# Altium PCB PCB2.PcbDoc (part 1 of 3)
Units mil, origin at the board's own origin, x right, y up, seen from the top; angles counter-clockwise.
Board outline 8413.39 x 5625.98 mil, 6 copper layers (Top Layer, GND1, Misc, Power, GND2, Bottom Layer), stack 58.89 mil thick; 205 components, 372 nets, 1456 pads, 1132 vias.
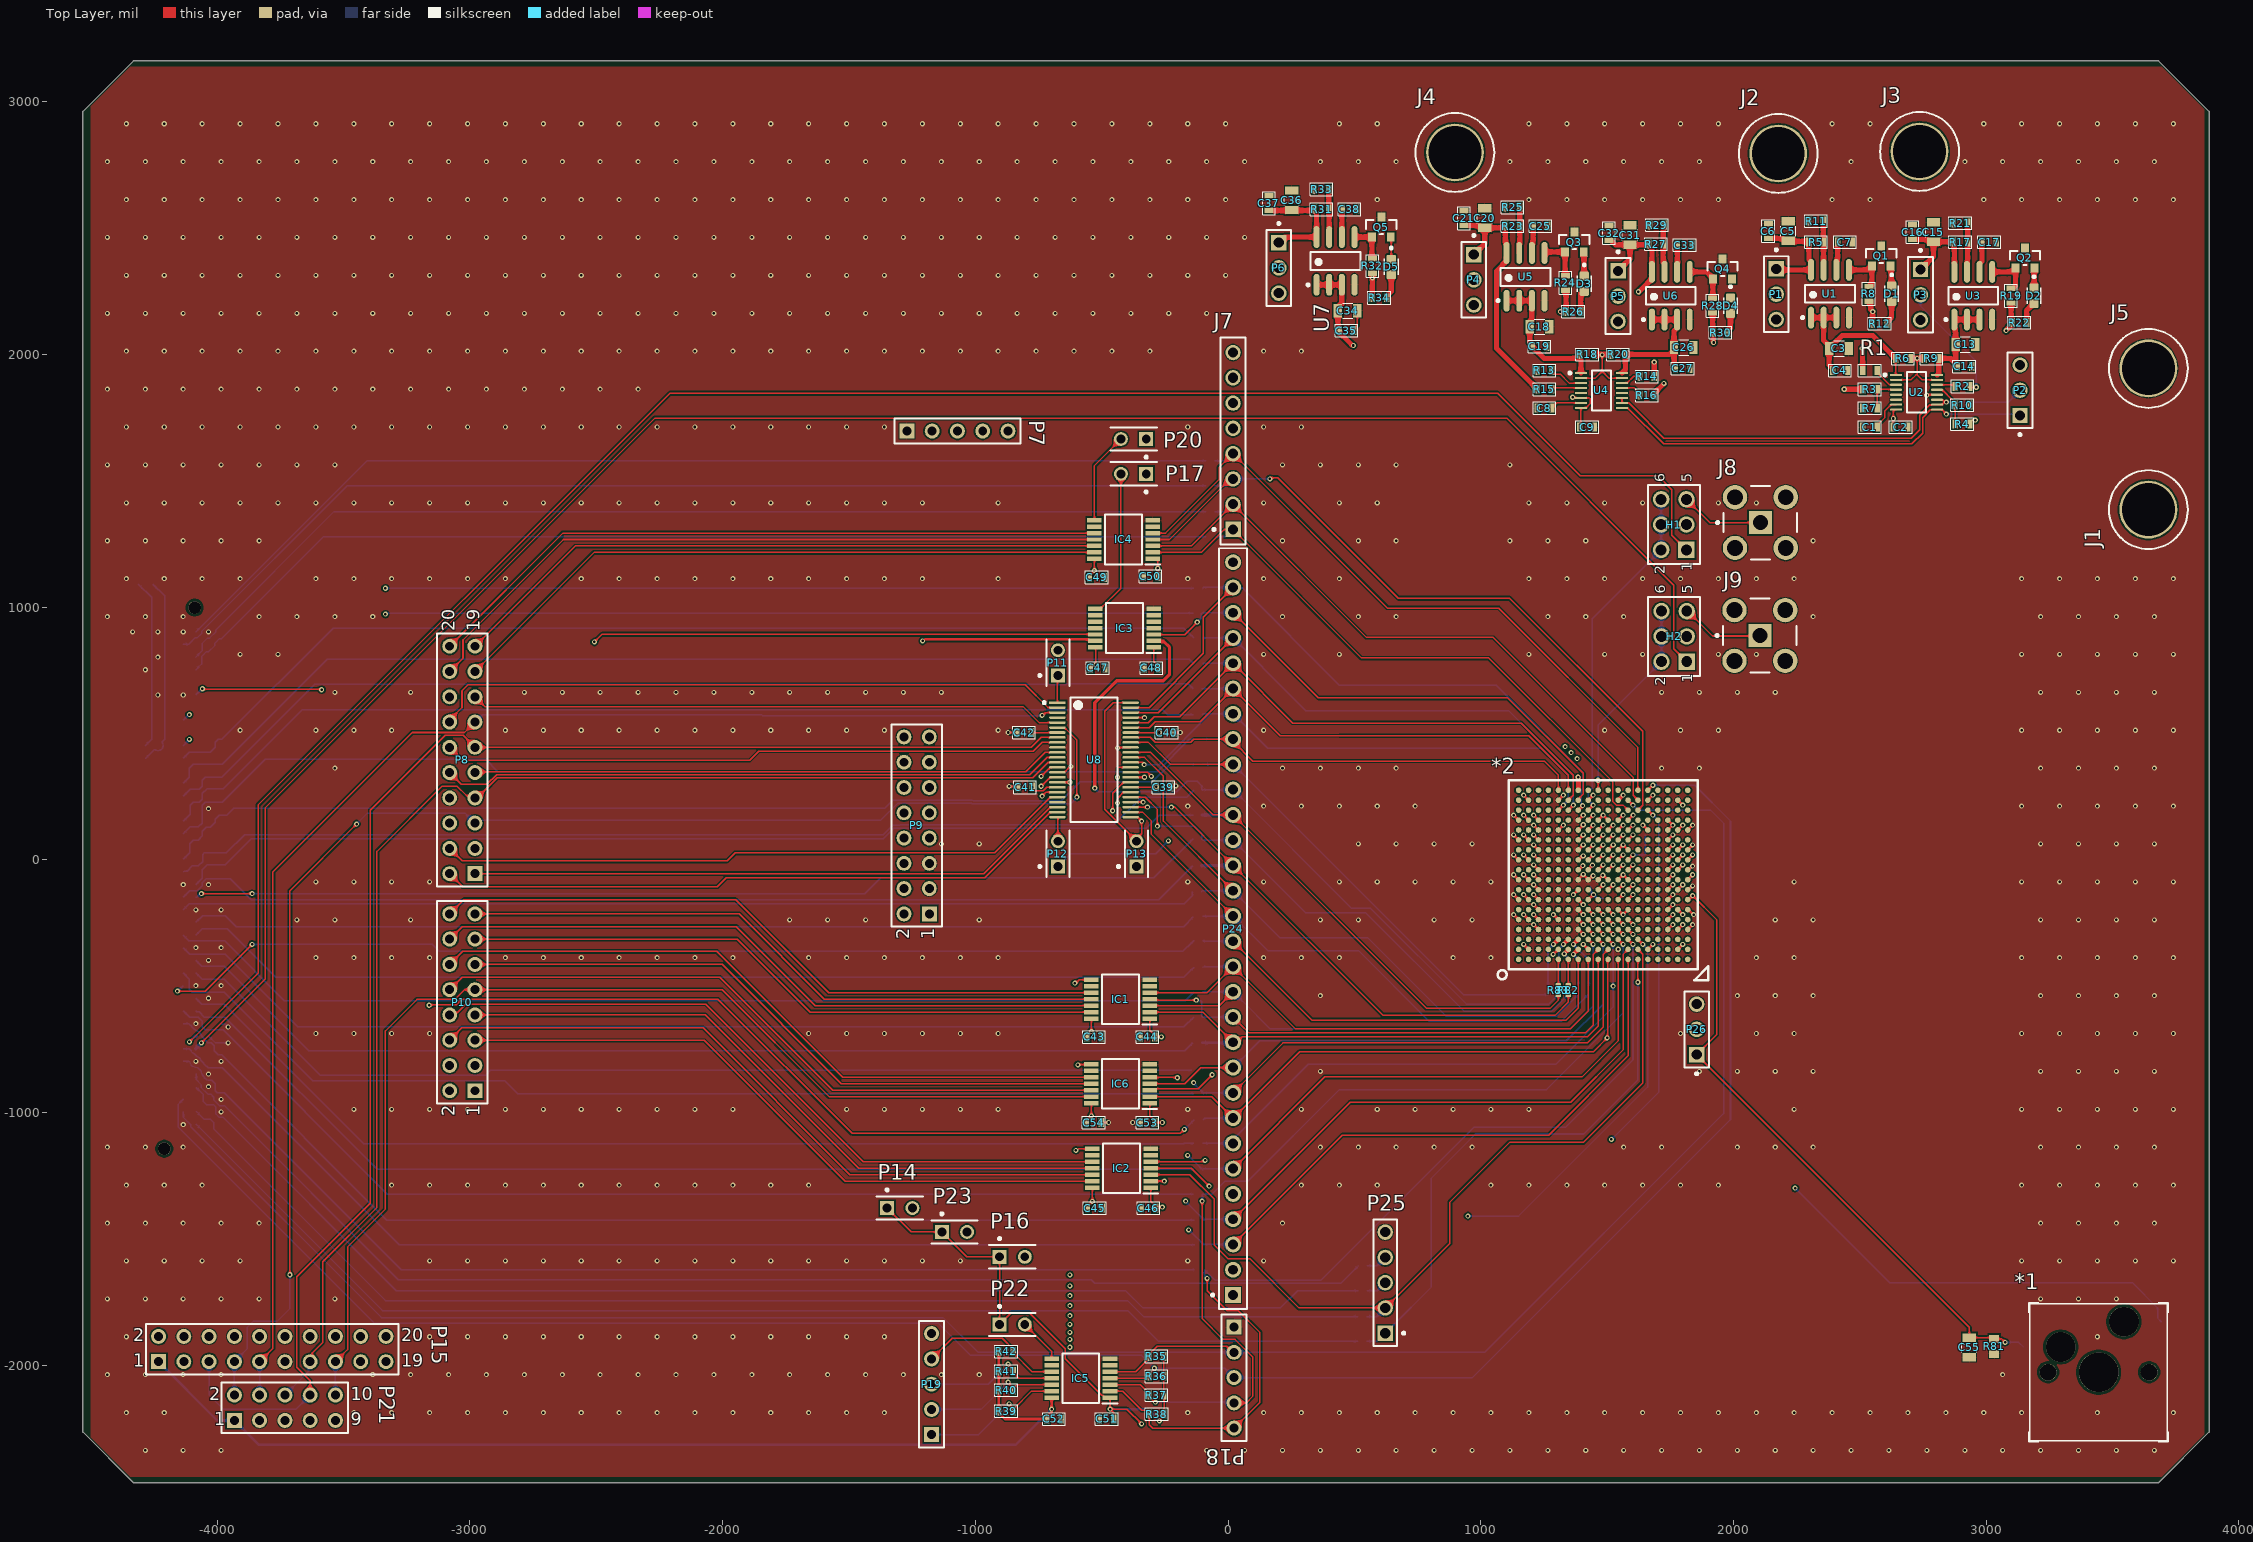
[diagram p0: Top Layer view]
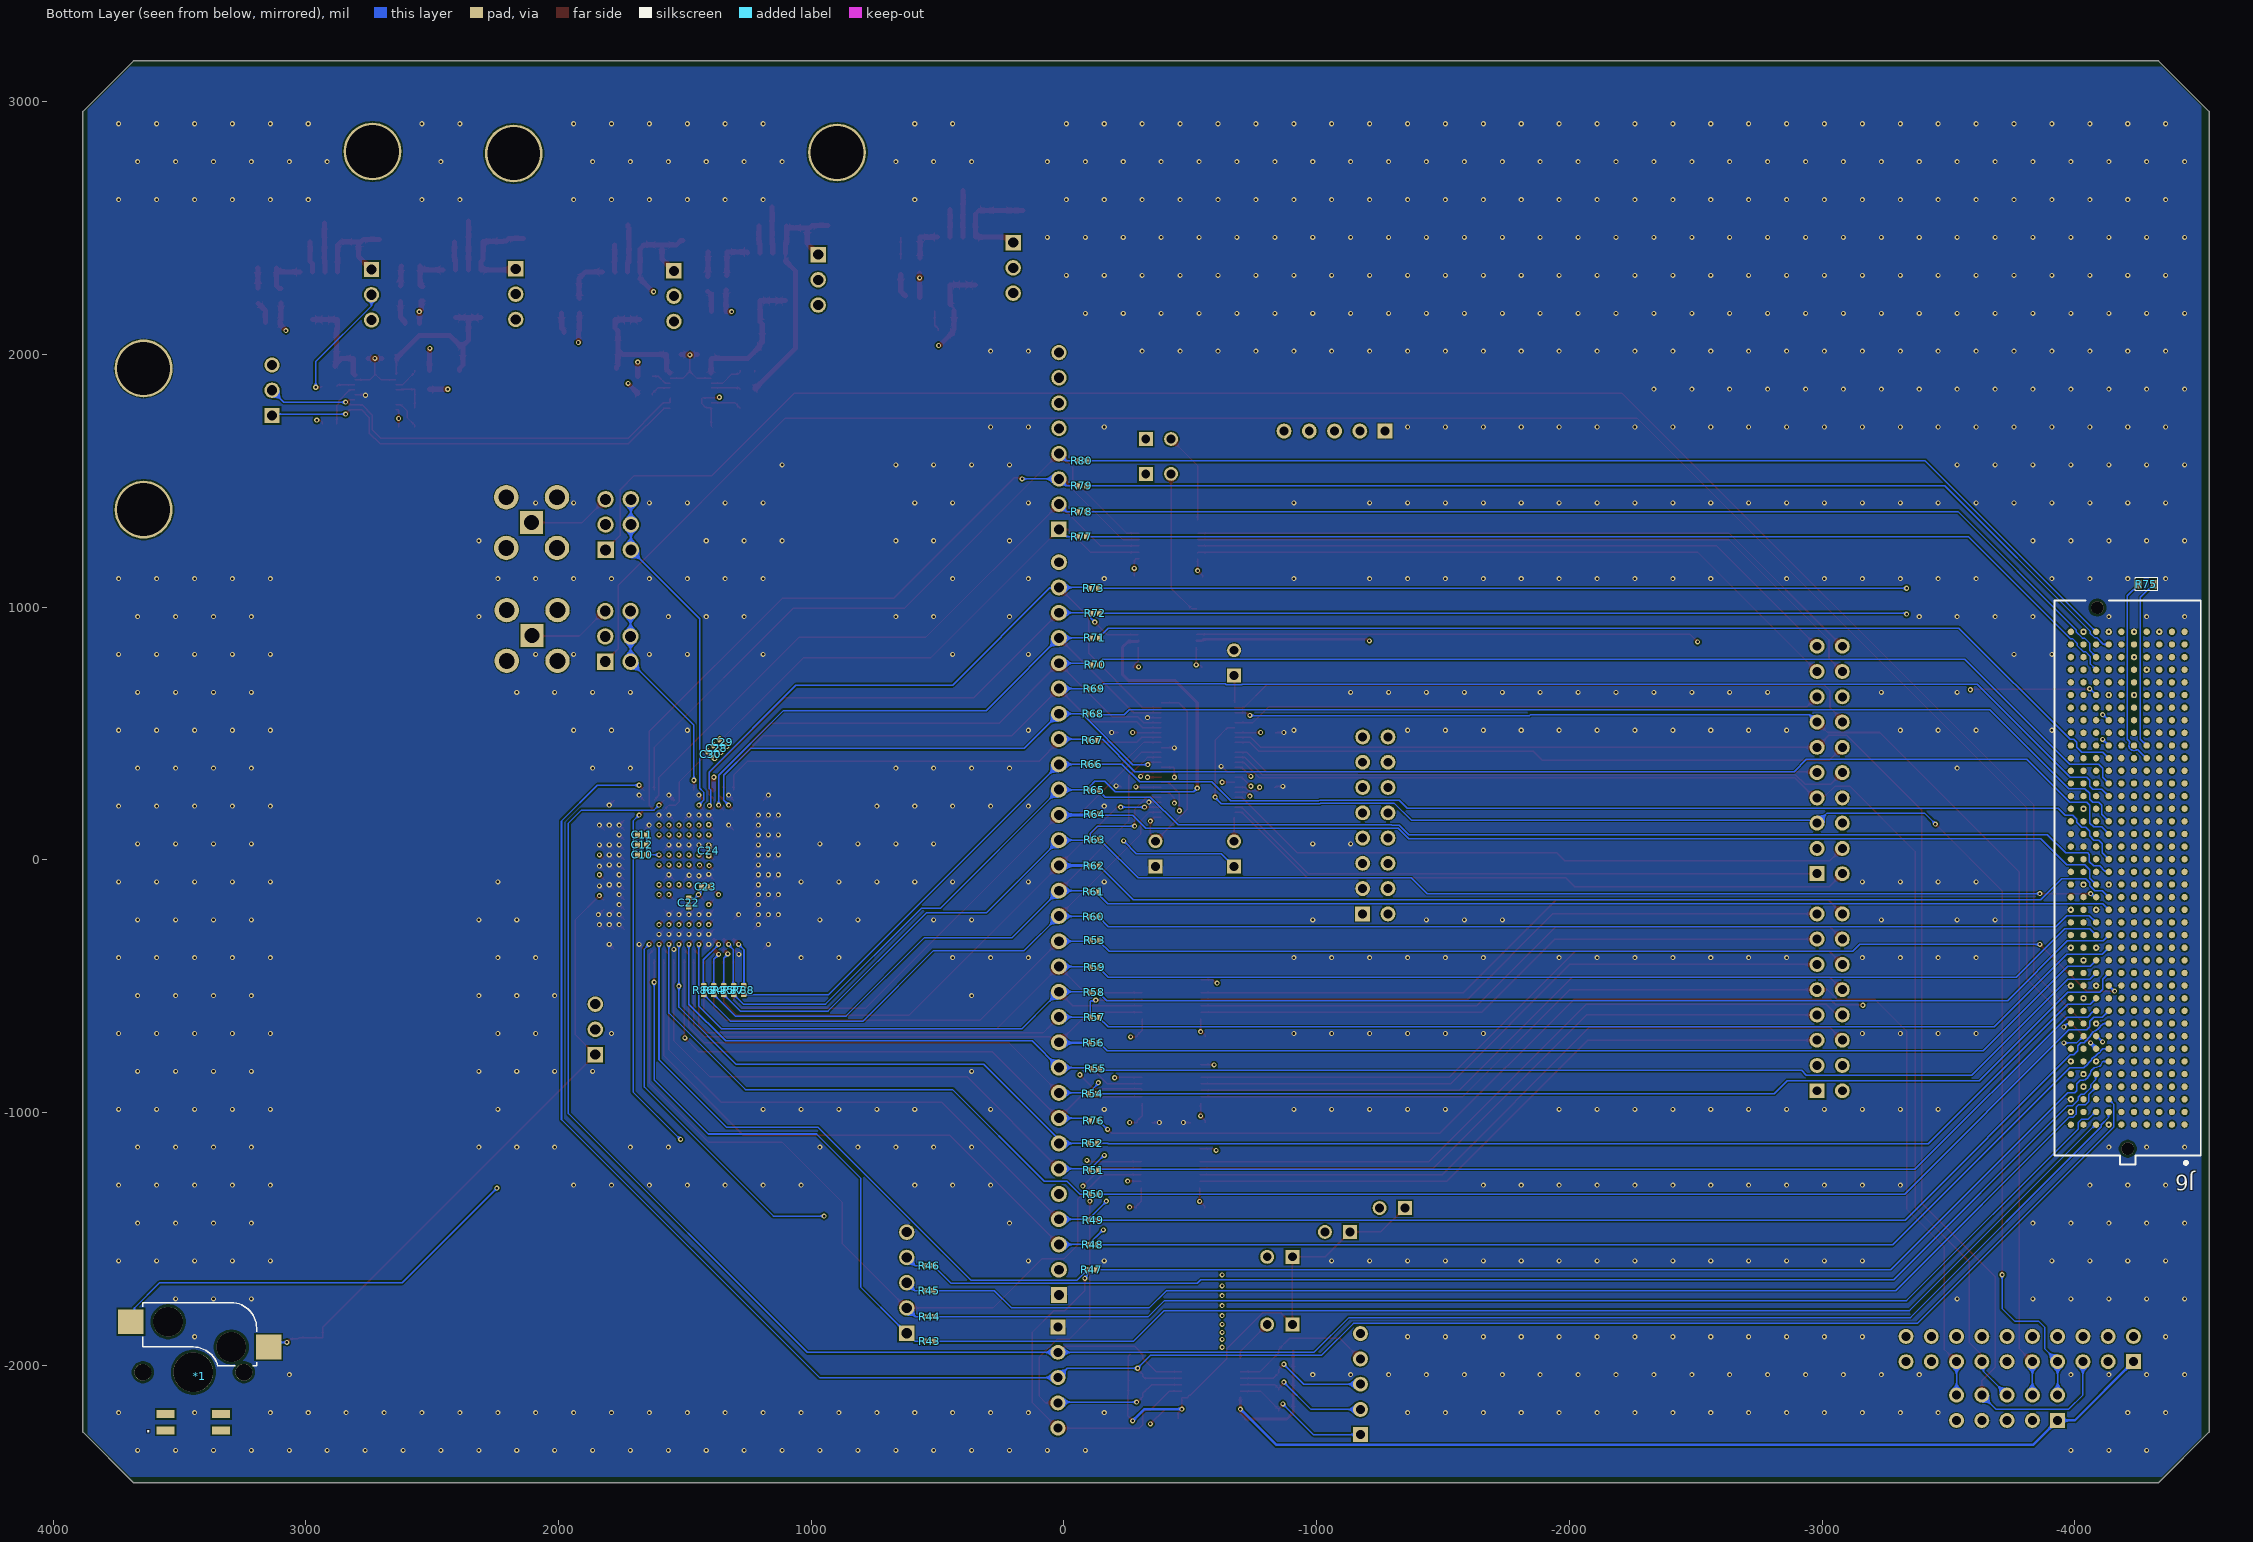
[diagram p1: Bottom Layer view, seen from below]
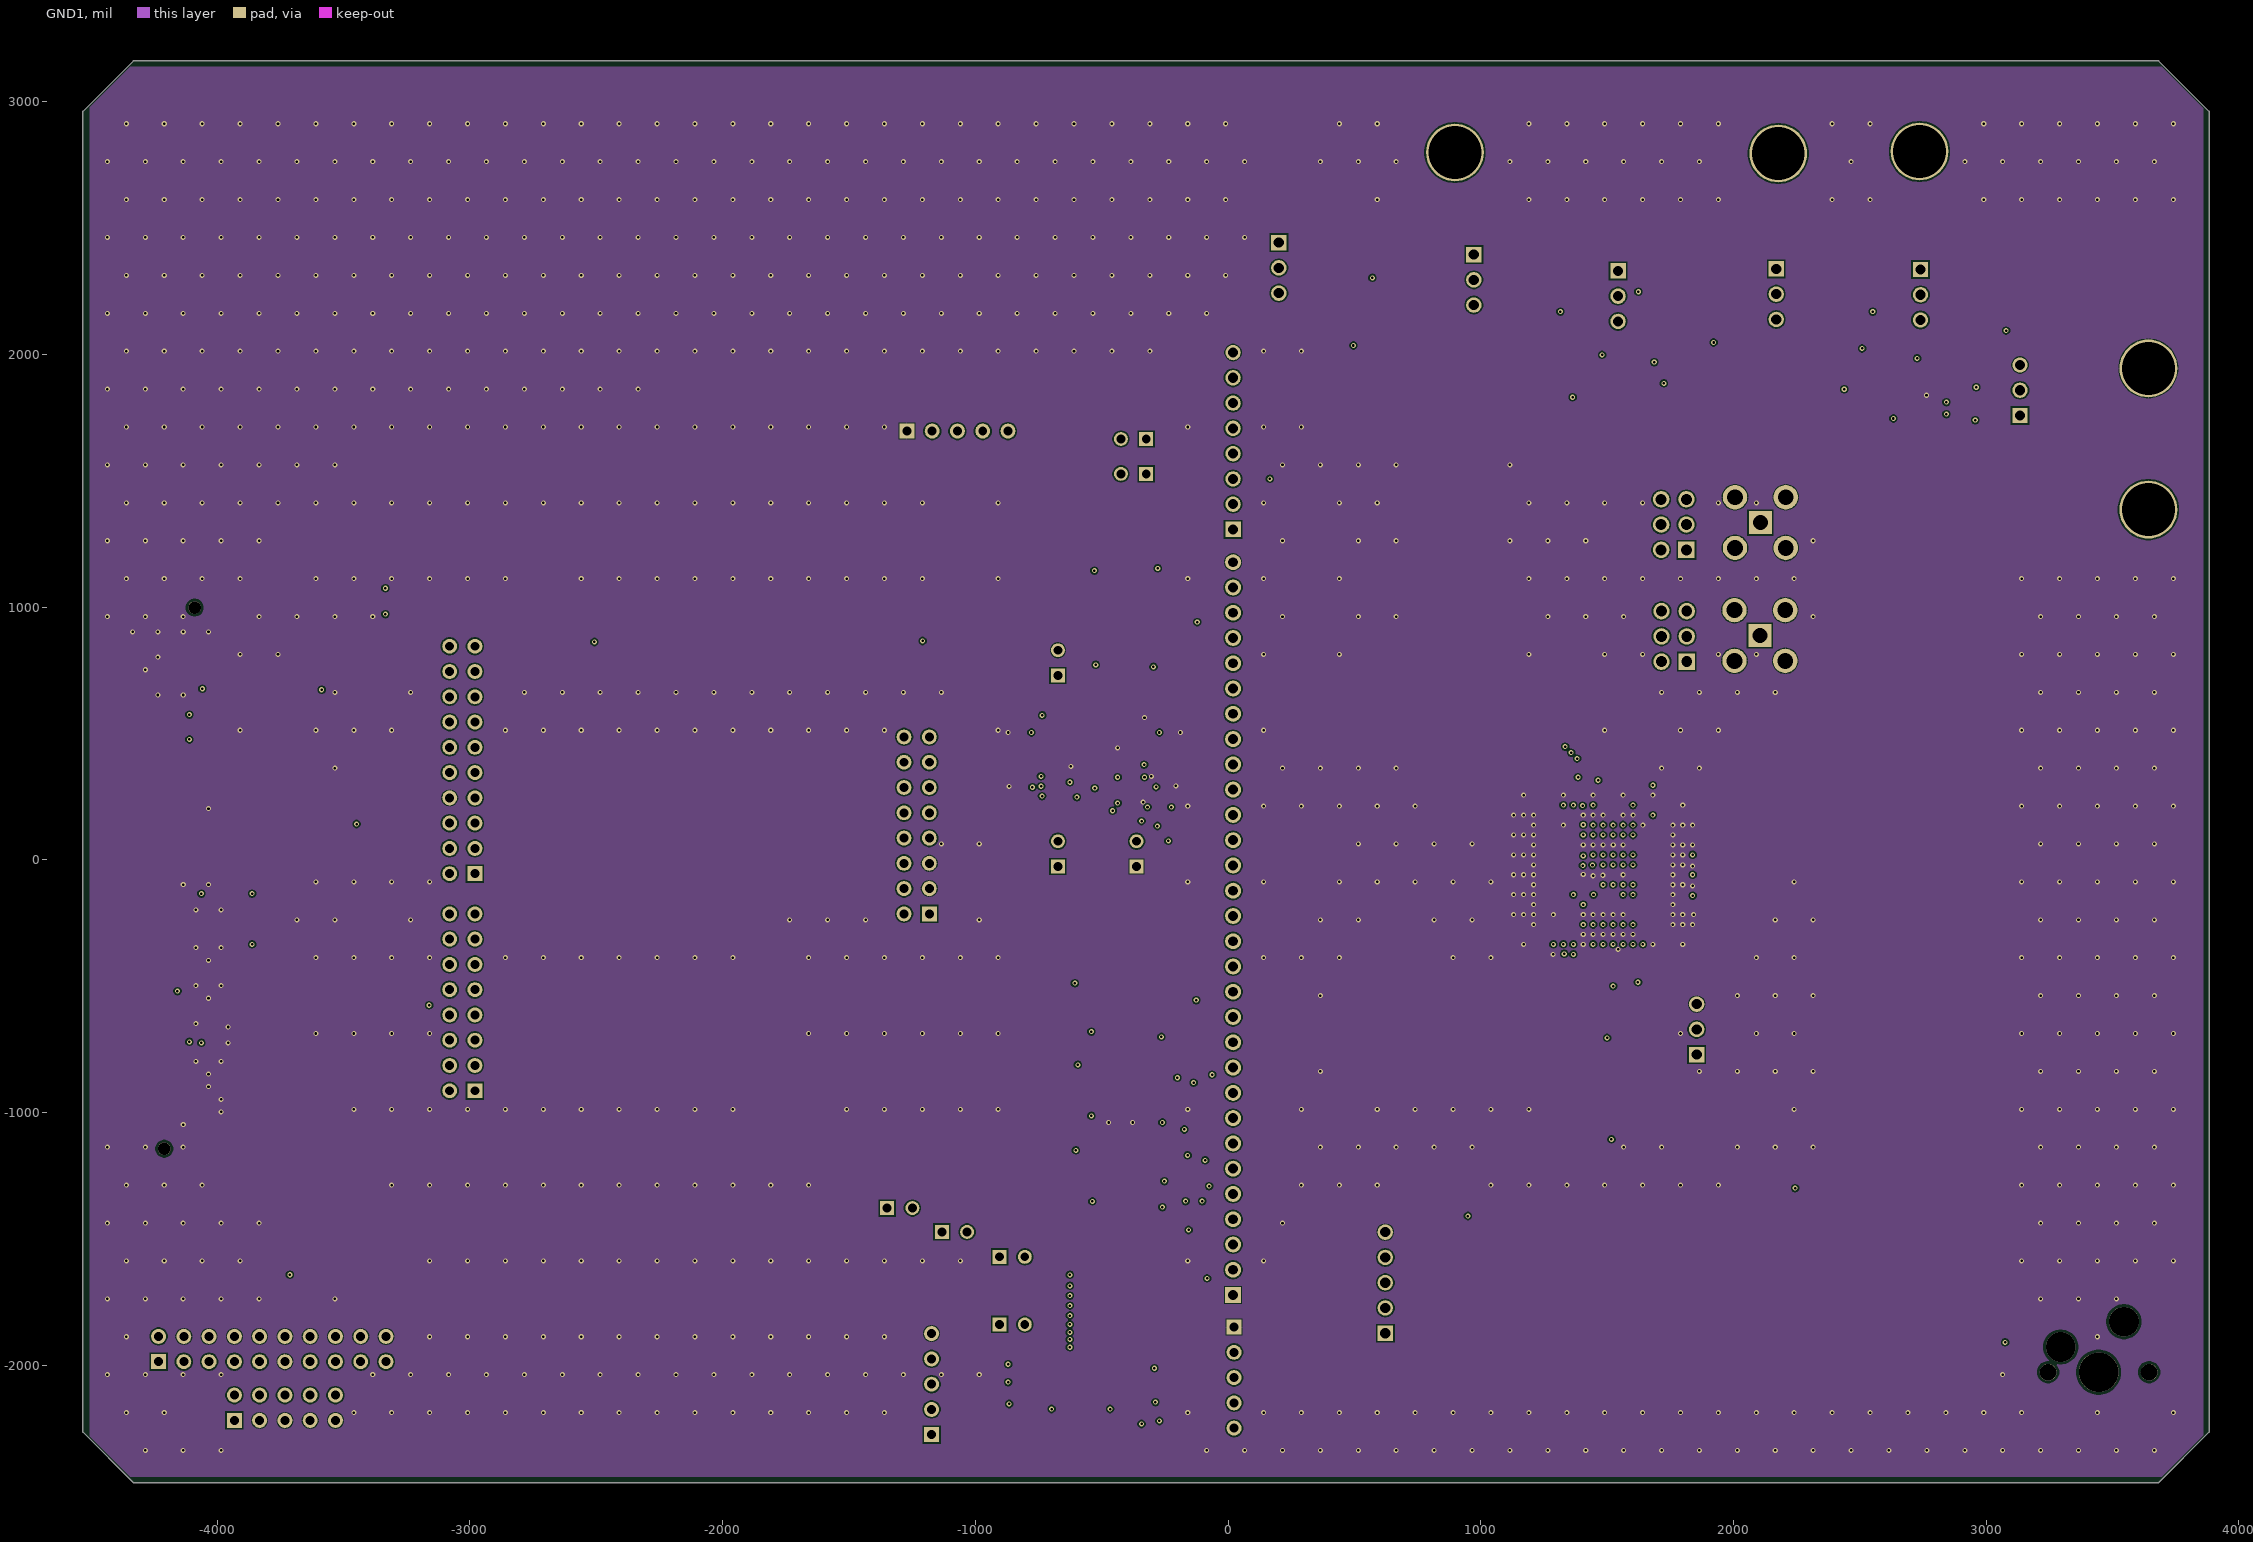
[diagram p2: GND1]
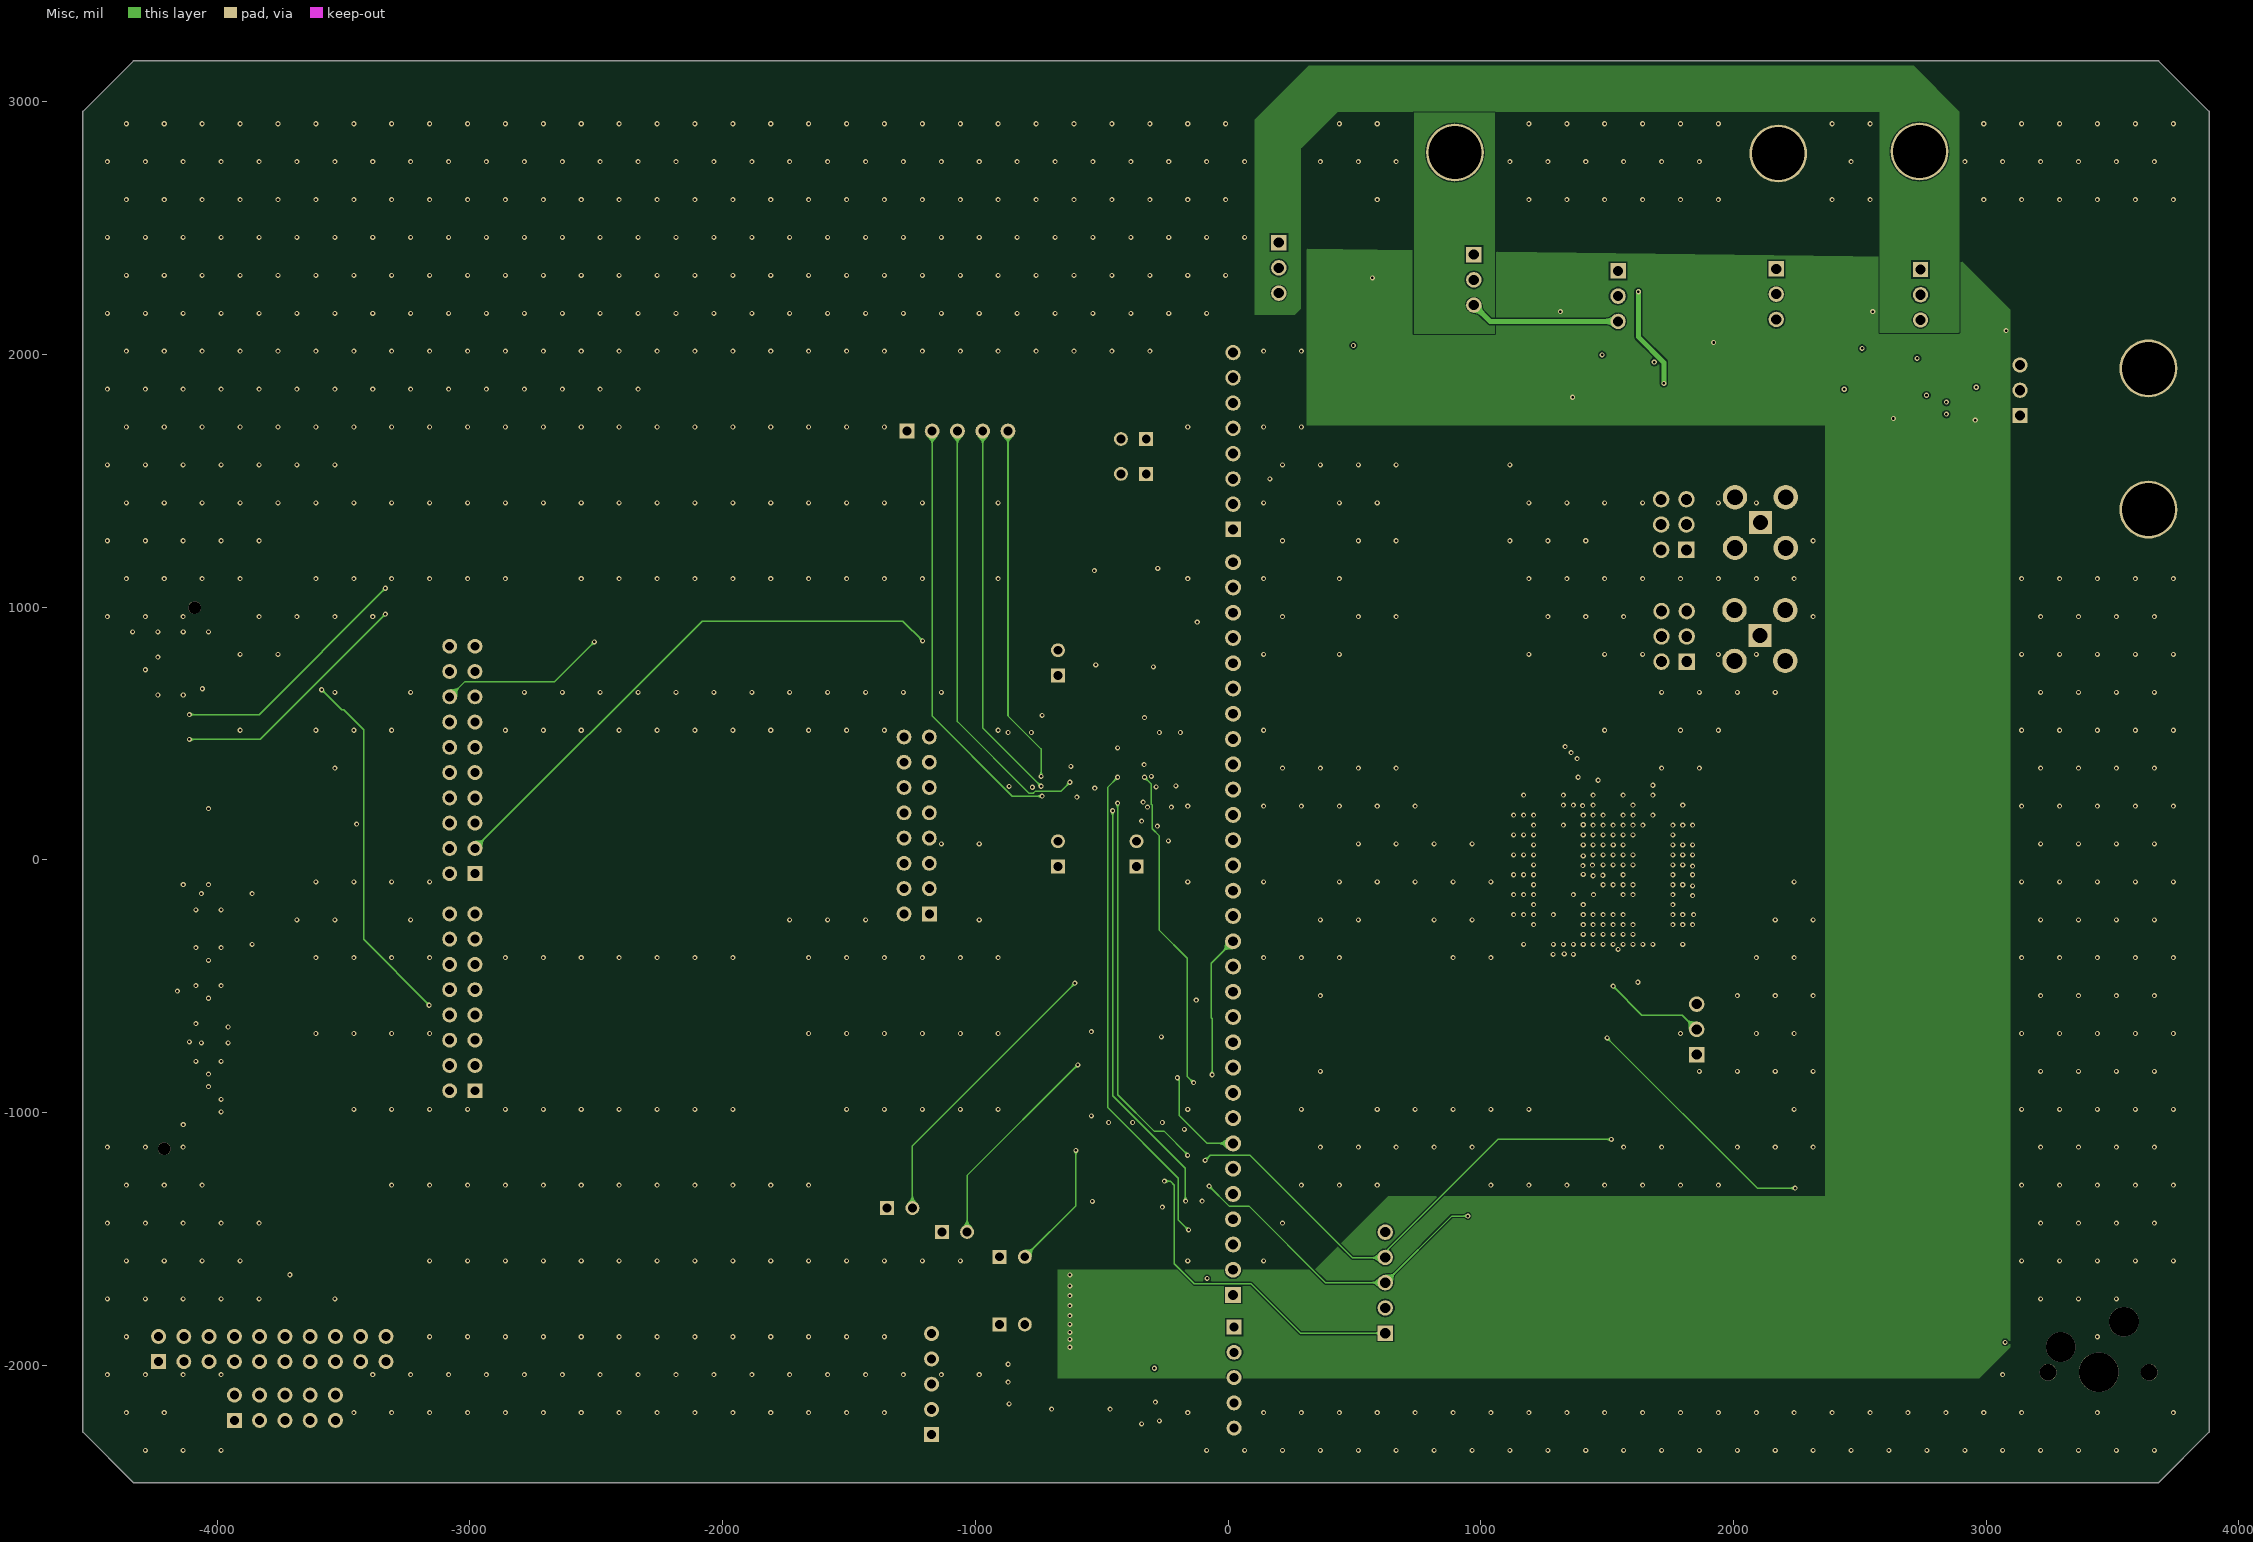
[diagram p3: Misc]